# KiCad board pmi_2023.kicad_pcb (continued)
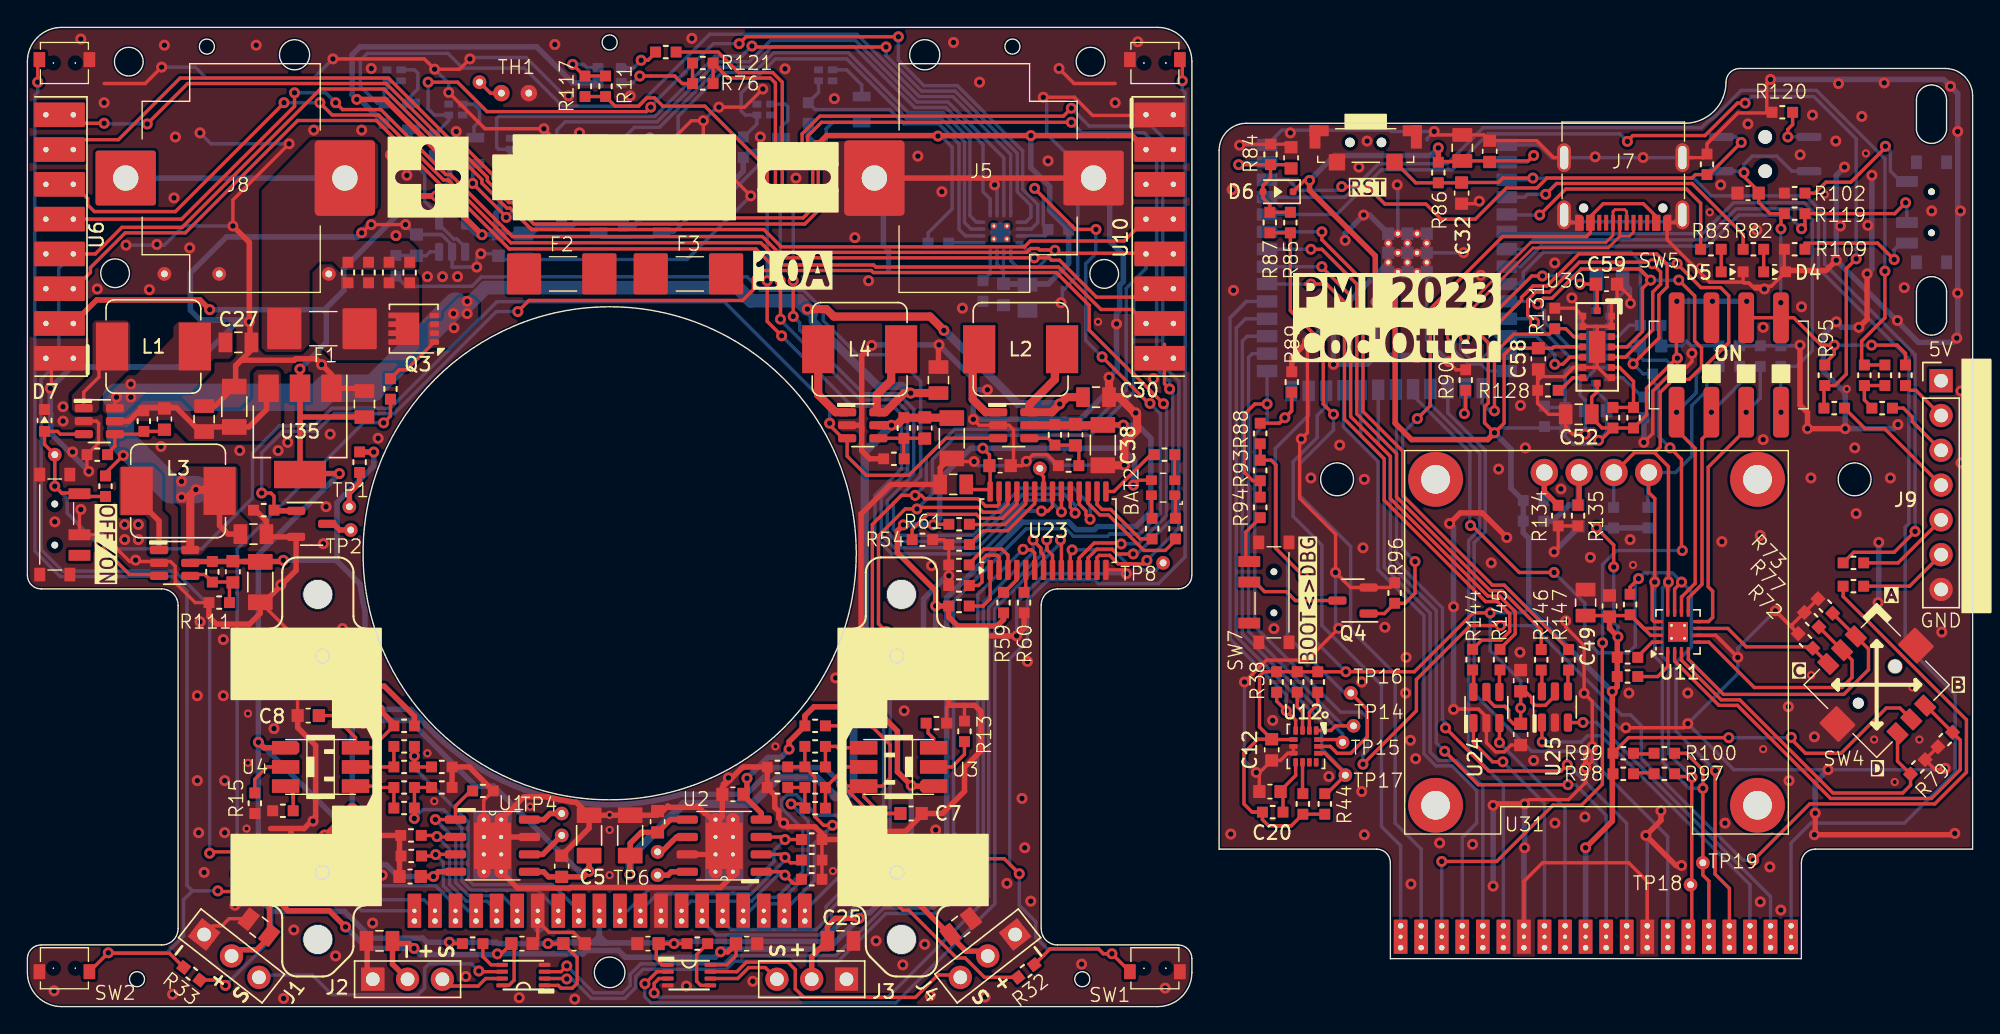
[diagram p0: board, top side]
## Routing (per net, layer and track width the routed paths; a pad name or vN(x,y) marks a point on that pad's centre or on a via; arc(x,y) is an arc through that point) (continued)
Net-(U11-~{RESET}): length 3.6
  Top w0.25: R116.2 119,24.1 119.74,24.84 U11.1
Net-(U12-INT2/DEN): length 2.3
  Top w0.25: R39.2 93.08,15.57 U12.9
Net-(U12-SCx): length 2.9
  Top w0.25: R45.2 92.69,21.9 93.08,21.51 U12.3
Net-(U12-SDx): length 3
  Top w0.25: R101.2 94.19,22.1 93.58,21.49 U12.2
Net-(U12-Vdd): length 4.2
  Top w0.25: R141.2 91.65,15.53 C20.1 91.47,15.78 92.58,16.88 U12.8
Net-(U13-A): length 3.6
  Bottom w0.25: 36.41,63.4 37.2,63.4 37.5,63.1 37.5,62.1 37.1,61.7 37.1,61.05 37,60.95
Net-(U14-A): length 3.7
  Bottom w0.25: R41.2 50.6,61.05 50.6,61.5 51.1,62 51.1,63.1 50.8,63.4 49.91,63.4
Net-(U15-A): length 3.5
  Bottom w0.25: 31.91,65.9 32.6,65.9 33,65.5 33,64.65 32.6,64.25 32.6,63.55 32.5,63.45
Net-(U16-A): length 3.6
  Bottom w0.25: 54.41,65.9 55.3,65.9 55.5,65.7 55.5,64.7 55,64.2 R47.2
Net-(U17-DIR): length 4.2
  Top w0.25: R143.2 48.85,3.8 48.85,1.85 49.15,1.55 U17.5
Net-(U19-A): length 3.6
  Bottom w0.25: 27.42,68.4 28.25,68.4 28.5,68.15 28.5,67 28,66.5 R50.2
Net-(U20-A): length 3.3
  Bottom w0.25: 58.91,68.4 59.8,68.4 60.9,67.3 R51.2
Net-(U21-DIR): length 2.6
  Top w0.25: U21.5 33.85,3.05 33.25,3.65 R142.2
Net-(U22-RSVD6): length 5.3
  Bottom w0.25: U22.C2 112.56,46.67 112.24,46.35 R125.2 110.74,43.75
Net-(U23-A0): length 3.9
  Top w0.25: R57.2 69.76,29.25 70.28,29.77 U23.1
Net-(U23-A1): length 5
  Top w0.25: R56.1 69.43,30.75 69.68,31 69.68,32.63 70.01,32.96 70.78,32.96 70.93,32.81 U23.2
Net-(U23-A2): length 4.6
  Top w0.25: U23.3 71.57,32.97 71.13,33.41 69.82,33.41 68.75,32.34 R58.1
Net-(U23-A3): length 2.1
  Top w0.25: U23.4 72.22,31.15 71.32,30.25 R59.2
Net-(U23-A4): length 1.7
  Top w0.25: U23.5 72.88,30.38 R60.1
Net-(U23-A5): length 5.7
  Top w0.25: 69.03,35.5 69.03,35.2 71.36,35.2 72.88,36.71 U23.24
Net-(U23-EXTCLK): length 10.3
  Top w0.25: R54.1 64.58,34.83 65.69,35.94 69.27,35.94 69.57,35.65 71.18,35.65 72.22,36.7 U23.25
Net-(U24-1Y): length 1.6
  Top w0.25: U24.6 105.55,24.53 R144.1
Net-(U24-2Y): length 1.6
  Top w0.25: U24.4 107.45,24.55 R145.1
Net-(U25-1Y): length 1.6
  Top w0.25: U25.6 110.55,24.53 R146.1
Net-(U25-2Y): length 1.6
  Top w0.25: U25.4 112.45,24.53 R147.1
Net-(U28-FB): length 5.5
  Top w0.25: 5.75,40.3 6.39,40.94 U28.4 8.3,41.8 R66.2 9.9,42 10,42.1 C29.2
Net-(U28-SW): length 4.8
  Top w0.25: U28.1 4.11,44.86 5.22,45.97 5.22,48
Net-(U29-FB): length 5.2
  Top w0.25: R108.1 76.75,40.72 C37.2 76.47,41 R67.2 74.5,41.5 U29.4
Net-(U29-SW): length 6.1
  Top w0.6: U29.1 69.95,43.4 69,44.35 69,47.53 L2.2
Net-(U30-RSVD6): length 5.4
  Top w0.25: U30.C2 116.22,46.67 117.24,45.65 R129.2 R130.2
Net-(U31-GND): length 5
  Top w0.4: 110.89,39 U31.1 110.73,37.61 R134.2
  Bottom w0.4: U31.1 110.73,36.99 R133.1
Net-(U31-VCC): length 7.8
  Top w0.4: R135.1 113.27,36.68 U31.2
  Bottom w0.4: R132.1 111.34,35.45 112.51,36.62 C31.1 113.19,38.92 U31.2
Net-(U32-IO45,GPIO45): length 6.2
  Top w0.25: R89.1 92.29,43.5 v1(91.79,43) 91.39,42.6 R88.2
  Bottom w0.25: v1(91.79,43) 92.25,43.47 U32.26
Net-(U32-IO46,GPIO46): length 3.6
  Top w0.25: R90.1 104.99,43.4 v1(104.89,43.3)
  Bottom w0.25: 104.89,45.2 v1(104.89,43.3)
Net-(U32-TXD0,U0TXD,GPIO43,CLK_OUT1): length 67.9
  Top w0.25: 135.74,53.55 v1(135.59,53.7) 135.59,50.3 133.89,48.6 133.89,47.05 R91.1 R92.1
  Bottom w0.25: U32.37 90.5,59.1 96.19,59.1 98.64,61.55 103.64,61.55 106.26,64.17 122.19,64.17 122.6,64.58 122.92,64.78 123.21,65.01 125.09,66.9 130.59,66.9 135.59,61.9 v1(135.59,53.7)
Net-(U33-FB): length 4.9
  Top w0.25: 11.89,31.55 12.95,31.55 R110.2 14.97,31 C41.2 14.75,30.72 R111.1
Net-(U33-SW): length 5
  Top w0.4: 7.97,37.75 7.97,37.09 9.61,35.46 9.61,33.45
Net-(U34-FB): length 4.9
  Top w0.25: U34.4 65.47,41.5 C42.2 ; R112.2 63.97,40.03 R113.1
Net-(U34-SW): length 6
  Top w0.6: L4.2 57.72,44.67 59,43.4 U34.1

## Copper pours and planes (outline as drawn; the poured copper is in the pictures)
/power_supply/P3V9 on Top: 5.75,43 6,43.25 7.45,43.25 8.45,44.25 11.15,44.25 11.9,43.5 15.6,43.5 16.5,44.4 16.5,46.25 16.75,46.5 18.25,46.5 18.5,46.25 18.5,42.5 17.3,41.3 11.8,41.3 10.75,42.35 10.4,42.75 7.75,42.75 7.25,42.25 6,42.25 5.75,42.5
GND on Top, Bottom: 1.4,71.6 83.5,71.6 85.1,70 85.1,-0.1 83.6,-1.6 1.5,-1.6 -0.3,0.2 -0.3,69.9
GND_m on Top, Bottom: 99.49,3.7 99.1,11.1 87,11.5 87,64.5 120.9,64.5 124.44,68.5 141.99,68.5 142.04,11.45 130,11.1 129.59,3.5
+BATT on Top: 7,43.25 8.7,44.9 11.95,44.9 13.4,46.4 13.4,47.1 13.6,47.3 14.7,47.3 15,47.6 15,49.35 14.35,50 11,50 10.65,49.65 10.65,48.9 7.9,46.1 7.35,46.1 5.5,44.25 5.5,43.5 5.75,43.25
+BATT on Top: 30.4,50.7 30.4,50.25 30.2,50.05 29.4,50.05 29.22,49.88 29.22,48.3 29.4,48.1 30.8,48.1 32.9,50.2 32.9,51.4 32.5,51.8 31.5,51.8
+BATT on Top: 12.6,32.95 13.2,33.55 15.9,33.55 16.15,33.8 16.15,35.3 15.35,36.1 15.35,39.3 15.2,39.45 11.65,39.45 10.85,38.65 10.85,36.85 11.2,36.5 11.2,33.1 11.35,32.95
+BATT on Bottom: 29.45,52.25 32,52.25 32.85,51.4 32.85,50.4 26.45,44 22.05,44 20.95,42.9 5.55,42.9 5.2,43.25 5.2,45.25 5.8,45.85 18.2,45.84 18.56,45.43 20.53,45.43 21.31,46.2 23.4,46.2
/power_supply/+batt_fuse on Top: 27.7,47.2 28.6,48.1 28.6,53.2 28.3,53.5 23,53.5 22.3,54.2 21.4,54.2 20.8,53.6 20.8,48.75 22.35,47.2
/power_supply/+batt_unprotected on Top: 20.6,48.4 20.6,53.7 21.3,54.4 22.3,54.4 22.9,53.8 28.2,53.8 28.4,54 28.4,55.3 27.8,55.9 24.1,55.9 23.8,56.2 23.8,56.6 25.6,58.4 25.6,62.9 25.2,63.3 20.7,63.3 17.1,59.6 17.1,48.1 17.4,47.8 20,47.8
Net-(U28-SW) on Top: 4.95,50.1 7.25,50.1 7.5,49.85 7.5,46.5 5.25,44.25 5.25,43.6 5,43.35 3.5,43.35 3.25,43.6 3.25,44.65 4.75,46.15 4.75,49.9
Net-(U33-SW) on Top: 10.3,35.75 9.85,36.2 9.85,38.8 9.15,39.5 6.9,39.5 6.7,39.3 6.7,35.95 6.8,35.85 8.6,35.85 8.9,35.55 8.9,33.1 9,33 10.15,33 10.3,33.15

Small or netless copper shapes (teardrops, artwork), in the pictures only: 7 on Top, 7 on Bottom

## Text on the board
B.Silkscreen: PMI 2023 / Coc'Otter
F.Silkscreen: RST | BOOT<>DBG | OFF/ON | 10A | + | - | PMI 2023 / Coc'Otter
